# Altium PCB PCB1_Bak.PcbDoc (part 2 of 5) (continued)
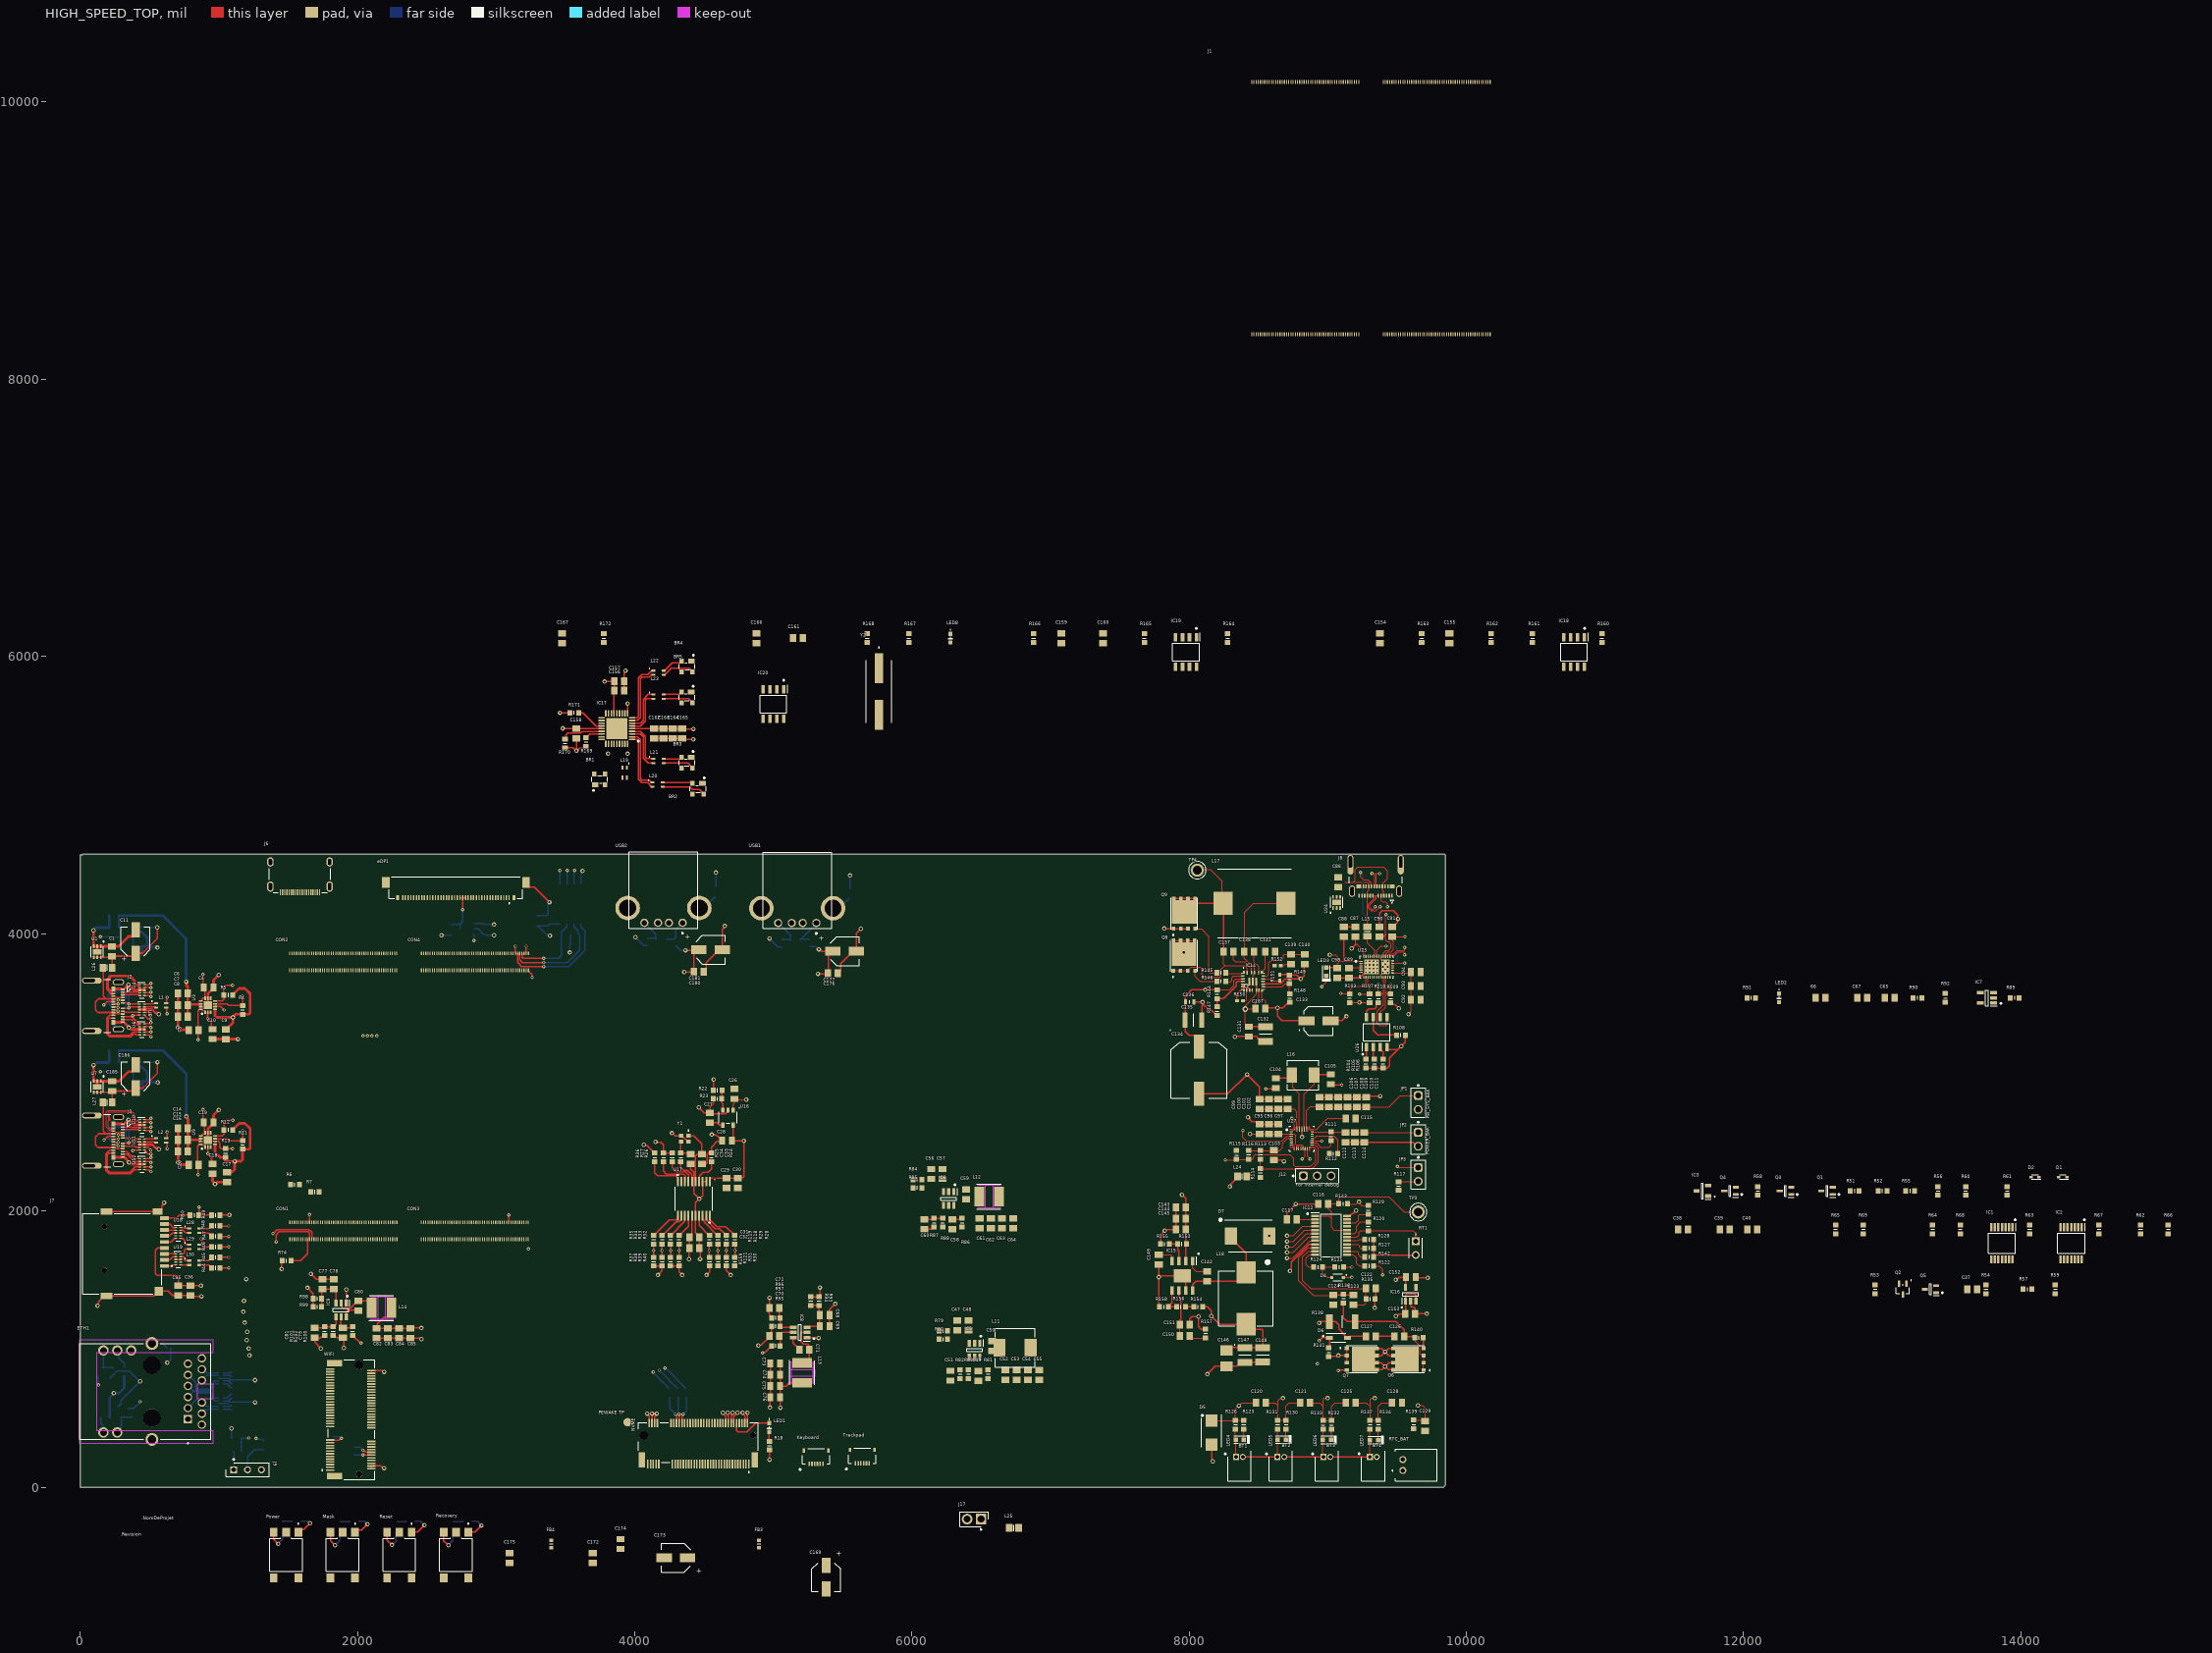
[diagram p0: HIGH_SPEED_TOP view]
## Footprints (in the part's own frame and the unit in brackets; to place one, negate y for a bottom-side part, rotate by r counter-clockwise, add the part's x,y. Pads: shape width x height; smd on the part's side, far side on the other; paste and mask are expansions set on the pad) (continued)
  rect 1.525x0.65 smd: 1(-2.712,1.905) 2(-2.712,0.635) 3(-2.712,-0.635) 4(-2.712,-1.905) 5(2.712,-1.905) 6(2.712,-0.635) 7(2.712,0.635) 8(2.712,1.905)
  silkscreen extent -4.15,-2.45 1.6,2.67, body extent -3,-2.45 3,2.45, height 1.75
SOIC127P798X216-8N [mm]
  rect 1.75x0.65 smd: 1(-3.625,1.905) 2(-3.625,0.635) 3(-3.625,-0.635) 4(-3.625,-1.905) 5(3.625,-1.905) 6(3.625,-0.635) 7(3.625,0.635) 8(3.625,1.905)
  silkscreen extent -5.33,-2.62 2.4,2.62, body extent -3.99,-2.62 3.99,2.62, height 2.16
SON65P200X200X80-7N [mm]
  rect 0.66x0.32 smd mask+0.07: 1(-1.025,0.65)
  rect 0.66x0.32 smd mask+0.025: 2(-1.025,0) 3(-1.025,-0.65) 5(1.025,0) 6(1.025,0.65)
  rect 0.66x0.32 smd: 4(1.025,-0.65)
  rect 1x1.6 smd paste-2 mask+0.025: 7(0,0)
  silkscreen extent -2,-1.13 1,1.24, body extent -1,-1 1,1, height 0.8
SOP65P640X120-14N [mm]
  rect 1.475x0.45 smd: 1(-2.938,1.95) 2(-2.938,1.3) 3(-2.938,0.65) 4(-2.938,0) 5(-2.938,-0.65) 6(-2.938,-1.3) 7(-2.938,-1.95) 8(2.938,-1.95) 9(2.938,-1.3) 10(2.938,-0.65) 11(2.938,0) 12(2.938,0.65) 13(2.938,1.3) 14(2.938,1.95)
  silkscreen extent -4.44,-2.5 1.85,2.54, body extent -3.2,-2.5 3.2,2.5, height 1.13
SOP65P640X120-24N [mm]
  rect 1.475x0.45 smd: 1(-2.938,3.575) 2(-2.938,2.925) 3(-2.938,2.275) 4(-2.938,1.625) 5(-2.938,0.975) 6(-2.938,0.325) 7(-2.938,-0.325) 8(-2.938,-0.975) 9(-2.938,-1.625) 10(-2.938,-2.275) 11(-2.938,-2.925) 12(-2.938,-3.575) 13(2.938,-3.575) 14(2.938,-2.925) 15(2.938,-2.275) 16(2.938,-1.625) 17(2.938,-0.975) 18(2.938,-0.325) 19(2.938,0.325) 20(2.938,0.975) 21(2.938,1.625) 22(2.938,2.275) 23(2.938,2.925) 24(2.938,3.575)
  silkscreen extent -4.44,-3.9 1.85,4.15, body extent -3.2,-3.9 3.2,3.9, height 1.13
SOT65P228X120-3N [mm]
  rect 1.1x0.5 smd: 1(-1.05,0.65) 2(-1.05,-0.65) 3(1.05,0)
  silkscreen extent -2.29,-1 0.15,1.15, body extent -1.2,-1.05 1.2,1.05, height 1.05
SOT94P279X130-5N [mm]
  rect 1.25x0.65 smd: 1(-1.25,0.94) 2(-1.25,0) 3(-1.25,-0.94) 4(1.25,-0.94) 5(1.25,0.94)
  silkscreen extent -2.67,-1.45 0.27,1.51, body extent -1.4,-1.45 1.4,1.45, height 1.3
SOT95P280X110-6N [mm]
  rect 1.25x0.6 smd: 1(-1.25,0.95) 2(-1.25,0) 3(-1.25,-0.95) 4(1.25,-0.95) 5(1.25,0) 6(1.25,0.95)
  silkscreen extent -2.67,-1.45 0.27,1.6, body extent -1.4,-1.45 1.4,1.45, height 0.97
SOT95P280X145-5N [mm]
  rect 1.2x0.6 smd: 1(-1.25,0.95) 2(-1.25,0) 3(-1.25,-0.95) 4(1.25,-0.95) 5(1.25,0.95)
  silkscreen extent -2.49,-1.45 0.3,1.71, body extent -1.4,-1.45 1.4,1.45, height 1.2
SOT95P285X140-5N [mm]
  rect 1.2x0.6 smd: 1(-1.3,0.95) 2(-1.3,0) 3(-1.3,-0.95) 4(1.3,-0.95) 5(1.3,0.95)
  silkscreen extent -2.56,-1.48 0.35,1.69, body extent -1.43,-1.48 1.43,1.48, height 1.4
SOT96P240X110-3N [mm]
  rect 1.1x0.65 smd: 1(-1.05,0.96) 2(-1.05,-0.96) 3(1.05,0)
  silkscreen extent -2.34,-1.45 0.15,1.54, body extent -1.2,-1.45 1.2,1.45, height 1.03
SOT-23-5_RIT [mil]
  rect 37.5x22 smd paste+0 mask+0: 1(-54.25,36.99) 2(-54.25,0) 3(-54.25,-36.99) 4(54.25,-36.99) 5(54.25,36.99)
  silkscreen extent -41,-66 41,66, body extent -59,-61 59,61, height 51
SOT-323-3_2P2X1P35_ONS [mil]
  rect 18x45 smd paste+0 mask+0: 1(-27.5,-39) 2(27.5,-39) 3(0,39)
  silkscreen extent -63,-68 48,32, body extent -44,-48 44,48, height 40
SW_TS06-667-25-BK-100-G-SMT-TR [mm]
  rect 1.6x1.4 smd: 1(-4.2,2.25) 2(-4.2,-2.25) 3(4.2,2.25) 4(4.2,-2.25) 5(-4.2,0)
  silkscreen extent -5.85,-3 3,3, body extent -4.2,-3.35 4.2,3.35, height 2.58
T520B [mm]
  rect 1.87x2.23 smd: 1(-1.46,0) 2(1.46,0)
  silkscreen extent -2.56,1.42 -2.46,1.52, body extent -1.85,-1.5 1.85,1.5, height 2.1
TECONN-4POS-USB [mm]
  round 1.5 hole 1: 1(0,0) 2(2.5,0) 3(4.5,0) 4(7,0)
  round 4.5 hole 3.1: 5(-3.07,-2.71) 6(10.07,-2.71)
  silkscreen extent -2.8,-12.99 9.8,2.03, body extent -4.62,-12.99 11.62,1.01, height 7.72
TPS552882RPMR [mm]
  rect 0.4x0.575 smd: 1(-1.625,1.662) 19(1.625,1.662)
  rect 0.6x0.25 smd: 2(-1.9,1) 6(-1.9,-1) 14(1.9,-1) 18(1.9,1)
  rect 0.725x0.25 smd: 3(-1.837,0.5) 4(-1.837,0) 5(-1.837,-0.5) 15(1.838,-0.5) 16(1.838,0) 17(1.838,0.5)
  rect 0.35x0.575 smd: 7(-1.65,-1.662) 13(1.65,-1.662)
  rect 0.25x0.625 smd: 8(-1.125,-1.637) 9(-0.625,-1.637) 10(-0.125,-1.637) 11(0.625,-1.637) 12(1.125,-1.637)
  rect 0.25x0.675 smd: 20(1.05,1.613) 23(-1.05,1.613)
  rect 0.25x0.6 smd: 21(0.25,1.65) 22(-0.25,1.65)
  rect 0.375x1.425 smd: 24(-0.625,0) 25(0,0) 26(0.625,0)
  rect 0.375x0.225 smd: 27(-2.012,1.488) 28(-2.012,-1.488) 29(2.012,-1.488) 30(2.012,1.488)
  silkscreen extent -1.78,2.43 -1.67,2.53, body extent -2,-1.75 2,1.75, height 1
USB_C [mm] "MOLEX_2012670005"
  rect 0.298x0.7 smd mask+0.064: A1(-3,7.94) A2(-2.5,7.94) A3(-2,7.94) A4(-1.5,7.94) A5(-1,7.94) A6(-0.5,7.94) A7(0.5,7.94) A8(1,7.94) A9(1.5,7.94) A10(2,7.94) A11(2.5,7.94) A12(3,7.94) B2(2.25,6.24) B3(1.75,6.24) B4(1.25,6.24) B5(0.75,6.24) B6(0.25,6.24) B7(-0.25,6.24) B8(-0.75,6.24) B9(-1.25,6.24) B10(-1.75,6.24) B11(-2.25,6.24)
  rect 0.898x0.7 smd mask+0: B1(3.05,6.24) B12(-3.05,6.24)
  oval 1.1x2.1 hole 0.6 slot 1.6 at 90 deg mask+0.064: SH1(-4.32,7.13) SH2(4.32,7.13)
  oval 1.1x3.6 hole 0.6 slot 2.1 at 90 deg copper offset 0,0.5 mask+0.064: SH3(-4.62,1.77) SH4(4.62,1.77)
  silkscreen extent -4.84,4.45 4.85,9.45, body extent -4.69,-0.21 4.7,8.09, height 3.72
WE-LHMI_104048 [mm]
  rect 4.1x3.5 smd: 1(-4.75,0) 2(4.75,0)
  silkscreen extent -7.03,-5 5,5, body extent -5.5,-5 5.5,5, height 3.9
WL-SMCD_0603 [mm] "SMD Mono-color Chip LED, body 1.6x0.8mm"
  rect 0.8x0.75 smd: 1(-0.8,0) 2(0.8,0)
  silkscreen extent -1.62,-0.4 0.22,0.4, body extent -0.8,-0.4 0.8,0.4, height 0.42
XTAL_ECS-250-8-37B2-RWY-TR [mm]
  rect 0.85x0.75 smd: 1(-0.675,-0.525) 2(0.675,-0.525) 3(0.675,0.525) 4(-0.675,0.525)
  silkscreen extent -0.77,-1.62 -0.58,-1.43

## Part data
66: library part C0805C223J3GACTU, "22nF, 25 V, 0805 [2012 Metric], 5%, C0G / NP0", Case Code (Imperial)=0805, Case Code (Metric)=2012, Dielectric=C0G, Dielectric Material=4241ConductorMaterial, Manufacturer=KEMET, Max Operating Temperature=125°C, Min Operating Temperature=-55°C, Package Quantity=4000, Supplier Part Number=399-C0805C223J3GACTUCT-ND, Temperature Coefficient=30ppm/°C, Tolerance=5%, Voltage=25V, Case/Package=0805, Category="Ceramic Capacitors", ComponentLink1Description=http://www.farnell.com/datasheets/2741014.pdf?src-supplier=Farnell, ComponentLink1URL=http://www.farnell.com/datasheets/2741014.pdf?src-supplier=Farnell, ComponentLink2Description=http://components.arrow.com/part/dataview/46124259S8614547N7429?src-supplier=Arrow+Electronics, ComponentLink2URL=http://components.arrow.com/part/dataview/46124259S8614547N7429?src-supplier=Arrow+Electronics, ComponentLink3Description=http://www.mouser.com/ds/2/212/KEM_C1003_C0G_SMD-1101588.pdf?src-supplier=Mouser, ComponentLink3URL=http://www.mouser.com/ds/2/212/KEM_C1003_C0G_SMD-1101588.pdf?src-supplier=Mouser, ComponentLink4Description=http://www.kemet.com/docfinder?Partnumber=C0805C223J3GACTU&src-supplier=Digikey, ComponentLink4URL=http://www.kemet.com/docfinder?Partnumber=C0805C223J3GACTU&src-supplier=Digikey, ComponentLink5Description=http://www.farnell.com/datasheets/2741014.pdf?src-supplier=Newark, ComponentLink5URL=http://www.farnell.com/datasheets/2741014.pdf?src-supplier=Newark, ComponentLink6Description=https://www.verical.com/server-webapp/html/getDatasheet?partID=512137&src-supplier=Verical, ComponentLink6URL=https://www.verical.com/server-webapp/html/getDatasheet?partID=512137&src-supplier=Verical, ComponentLink7Description=http://www.farnell.com/datasheets/2741014.pdf?src-supplier=Element14, ComponentLink7URL=http://www.farnell.com/datasheets/2741014.pdf?src-supplier=Element14, ComponentLink8Description=https://datasheet.octopart.com/C0805C223J3GACTU-KEMET-datasheet-176142324.pdf?src-supplier=Element14, ComponentLink8URL=https://datasheet.octopart.com/C0805C223J3GACTU-KEMET-datasheet-176142324.pdf?src-supplier=Element14, ComponentLink9Description=http://capacitoredge.kemet.com/capedge2/DataSheet?pn=C0805C223J3GACTU&src-supplier=Avnet, ComponentLink9URL=http://capacitoredge.kemet.com/capedge2/DataSheet?pn=C0805C223J3GACTU&src-supplier=Avnet, ComponentLink10Description=https://api.kemet.com/component-edge/download/datasheet/C0805C223J3GACTU.pdf?src-supplier=Digi-Key, ComponentLink10URL=https://api.kemet.com/component-edge/download/datasheet/C0805C223J3GACTU.pdf?src-supplier=Digi-Key, ComponentLink11Description=https://datasheet.octopart.com/C0805C223J3GACTU-Kemet-datasheet-14356739.pdf?src-supplier=Newark, ComponentLink11URL=https://datasheet.octopart.com/C0805C223J3GACTU-Kemet-datasheet-14356739.pdf?src-supplier=Newark, ComponentLink12Description=https://datasheet.octopart.com/C0805C223J3GACTU-KEMET-datasheet-37178240.pdf?src-supplier=Electro+Sonic, ComponentLink12URL=https://datasheet.octopart.com/C0805C223J3GACTU-KEMET-datasheet-37178240.pdf?src-supplier=Electro+Sonic, Construction=Flat, Datasheet Link=https://content.kemet.com/datasheets/KEM_C1003_C0G_SMD.pdf, Depth=1.25mm, Dissipation Factor=0.1%, Height=1.1mm, Lead Free=5697LeadFree, Length=2mm, Manufacturer Part Number=C0805C223J3GACTU, Manufacturer_Name=KEMET, Manufacturer_Part_Number=C0805C223J3GACTU, Material=4241ConductorMaterial, Mounting Technology="Surface Mount", Packaging="Tape and Reel", Radiation Hardening=No, Reach SVHC Compliant=No, RoHS=Yes, RoHS Compliant=Yes, Series="SMD Comm C0G", Supplier=Digikey, Termination=SMD/SMT, Thickness=0.039inch, Voltage Rating=25V, Voltage Rating (DC)=25V, Width=1.2mm
BR1 BR2 BR3 BR4 BR5: "BGX50A Series 50 V 140 mA Surface Mount Silicon Switching Diode - SOT-143", Case/Package=SOT-143-4, Current Rating=140mA, Forward Voltage=1.3V, Manufacturer=Infineon, Max Operating Temperature=150°C, Max Repetitive Reverse Voltage (Vrrm)=70V, Max Reverse Current=200nA, Min Operating Temperature=-65°C, Mouser Part Number=726-BGX50AE6327HTSA1, Package Quantity=3000NUMBER, Reverse Voltage=50V, Supplier Part Number=BGX50AE6327HTSA1CT-ND, Arrow Part Number=BGX50AE6327HTSA1, Arrow Price/Stock=https://www.arrow.com/en/products/bgx50ae6327htsa1/infineon-technologies-ag?utm_currency=USD&region=europe, Category="Rectifier Diodes", ComponentLink1Description=http://www.farnell.com/datasheets/1835970.pdf?src-supplier=Farnell, ComponentLink1URL=http://www.farnell.com/datasheets/1835970.pdf?src-supplier=Farnell, ComponentLink2Description=http://uk.rs-online.com/webdocs/132f/0900766b8132f01b.pdf?src-supplier=Rs, ComponentLink2URL=http://uk.rs-online.com/webdocs/132f/0900766b8132f01b.pdf?src-supplier=Rs, ComponentLink3Description=http://components.arrow.com/part/dataview/52117287S9850481N2051?src-supplier=Arrow+Electronics, ComponentLink3URL=http://components.arrow.com/part/dataview/52117287S9850481N2051?src-supplier=Arrow+Electronics, ComponentLink4Description=https://datasheet.octopart.com/BGX50AE6327HTSA1-Infineon-datasheet-180052998.pdf?src-supplier=Element14, ComponentLink4URL=https://datasheet.octopart.com/BGX50AE6327HTSA1-Infineon-datasheet-180052998.pdf?src-supplier=Element14, ComponentLink5Description=http://documents.rs-components.com/techlib://itc_doclist_GB.htm?stockno=0287342A&src-supplier=Rs, ComponentLink5URL=http://documents.rs-components.com/techlib://itc_doclist_GB.htm?stockno=0287342A&src-supplier=Rs, ComponentLink6Description=http://datasheet.octopart.com/BGX50AE6327HTSA1-Infineon-datasheet-5392290.pdf?src-supplier=Future+Electronics, ComponentLink6URL=http://datasheet.octopart.com/BGX50AE6327HTSA1-Infineon-datasheet-5392290.pdf?src-supplier=Future+Electronics, ComponentLink7Description=http://www.farnell.com/datasheets/1835970.pdf?src-supplier=Newark, ComponentLink7URL=http://www.farnell.com/datasheets/1835970.pdf?src-supplier=Newark, ComponentLink8Description=http://datasheet.octopart.com/BGX50AE6327HTSA1-Infineon-datasheet-5392290.pdf?src-supplier=Mouser, ComponentLink8URL=http://datasheet.octopart.com/BGX50AE6327HTSA1-Infineon-datasheet-5392290.pdf?src-supplier=Mouser, ComponentLink9Description=http://www.infineon.com/dgdl/bgx50aseries.pdf?folderId=db3a30431400ef6801141cc1c4cd04e8&fileId=db3a30431400ef6801141cc423c404e9&src-supplier=Avnet, ComponentLink9URL=http://www.infineon.com/dgdl/bgx50aseries.pdf?folderId=db3a30431400ef6801141cc1c4cd04e8&fileId=db3a30431400ef6801141cc423c404e9&src-supplier=Avnet, Datasheet Link=https://www.infineon.com/dgdl/Infineon-BGX50ASERIES-DS-v01_01-en.pdf?fileId=db3a30431400ef6801141cc423c404e9, Forward Current=140mA, Halogen Free="Not Halogen Free", Height=1.1mm, Lead Free="Lead Free", Length=2.9mm, Manufacturer Part Number=BGX50AE6327HTSA1, Manufacturer_Name=Infineon, Manufacturer_Part_Number=BGX50AE6327HTSA1, Mounting Technology="Surface Mount", Mouser Price/Stock=https://www.mouser.co.uk/ProductDetail/Infineon-Technologies/BGX50AE6327HTSA1?qs=K00xGehIljtICzjrsCDc8w%3D%3D, Packaging="Tape and Reel", Pins=4, Pricing="1=0.42, 10=0.266, 100=0.1782, 500=0.13332, 1000=0.1188 (USD)", Radiation Hardening=No, Reach SVHC Compliant=4186SVHC, Reverse Recovery Time=6ns, RoHS=Yes, RoHS Compliant=Yes, Series=-, Stock=90032, Supplier=Digikey, Voltage Rating (DC)=50V, Width=1.3mm
BT1 BT2 BT3 BT4: library part "Header 1.25MM", "Connector", Manufacturer_Name=Molex, Mouser Part Number=N/A, Arrow Part Number=0530480210, Arrow Price/Stock=https://www.arrow.com/en/products/0530480210/molex?utm_currency=USD&region=europe, Datasheet Link=https://www.molex.com/pdm_docs/sd/530480210_sd.pdf, Height=3.5mm, Manufacturer_Part_Number=0530480210, Mouser Price/Stock=https://www.mouser.co.uk/ProductDetail/Molex/0530480210?qs=PBcRNPEHKsoxSi7zGV6Ncw%3D%3D
C1 C156 C158 C159 C160 C162 C163 C164 C165 C166 C168 C171 C172 C175 C176 C179 C180 C183 C185: library part C0805C104K9RACTU, "0.1uF 6.3V X7R 10% Pad SMD 0805 125C T/R", Case Code (Imperial)=0805, Case Code (Metric)=2012, Dielectric=X7R, Dielectric Material=Ceramic, Manufacturer=KEMET, Max Operating Temperature=125°C, Min Operating Temperature=-55°C, Mouser Part Number=80-C0805C104K9R, Package Quantity=4000, Supplier Part Number=399-C0805C104K9RACTUCT-ND, Tolerance=10%, Voltage Rating=6.3V, Arrow Part Number=C0805C104K9RACTU, Arrow Price/Stock=https://www.arrow.com/en/products/c0805c104k9ractu/kemet-corporation, Case/Package=0805, Category="Ceramic Capacitors", ComponentLink1Description=http://www.farnell.com/datasheets/2746329.pdf?src-supplier=Farnell, ComponentLink1URL=http://www.farnell.com/datasheets/2746329.pdf?src-supplier=Farnell, ComponentLink2Description=http://www.mouser.com/ds/2/212/KEM_C1002_X7R_SMD-1102033.pdf?src-supplier=Mouser, ComponentLink2URL=http://www.mouser.com/ds/2/212/KEM_C1002_X7R_SMD-1102033.pdf?src-supplier=Mouser, ComponentLink3Description=http://datasheet.octopart.com/C0805C104K9RACTU-KEMET-datasheet-157246124.pdf?src-supplier=Avnet, ComponentLink3URL=http://datasheet.octopart.com/C0805C104K9RACTU-KEMET-datasheet-157246124.pdf?src-supplier=Avnet, ComponentLink4Description=http://datasheet.octopart.com/C0805C104K9RACTU-KEMET-datasheet-157246124.pdf?src-supplier=Onlinecomponents.com, ComponentLink4URL=http://datasheet.octopart.com/C0805C104K9RACTU-KEMET-datasheet-157246124.pdf?src-supplier=Onlinecomponents.com, ComponentLink5Description=http://capacitoredge.kemet.com/capedge2/DataSheet?pn=C0805C104K9RACTU&src-supplier=Avnet, ComponentLink5URL=http://capacitoredge.kemet.com/capedge2/DataSheet?pn=C0805C104K9RACTU&src-supplier=Avnet, ComponentLink6Description=http://www.farnell.com/datasheets/2746329.pdf?src-supplier=Newark, ComponentLink6URL=http://www.farnell.com/datasheets/2746329.pdf?src-supplier=Newark, ComponentLink7Description=http://datasheet.octopart.com/C0805C104K9RACTU-KEMET-datasheet-157246124.pdf?src-supplier=Digikey, ComponentLink7URL=http://datasheet.octopart.com/C0805C104K9RACTU-KEMET-datasheet-157246124.pdf?src-supplier=Digikey, ComponentLink8Description=https://api.kemet.com/component-edge/download/datasheet/C0805C104K9RACTU.pdf?src-supplier=Digikey, ComponentLink8URL=https://api.kemet.com/component-edge/download/datasheet/C0805C104K9RACTU.pdf?src-supplier=Digikey, ComponentLink9Description=https://datasheet.octopart.com/C0805C104K9RACTU.-KEMET-datasheet-179056791.pdf?src-supplier=Element14, ComponentLink9URL=https://datasheet.octopart.com/C0805C104K9RACTU.-KEMET-datasheet-179056791.pdf?src-supplier=Element14, ComponentLink10Description=https://datasheet.octopart.com/C0805C104K9RACTU-KEMET-datasheet-137357759.pdf?src-supplier=Farnell, ComponentLink10URL=https://datasheet.octopart.com/C0805C104K9RACTU-KEMET-datasheet-137357759.pdf?src-supplier=Farnell, ComponentLink11Description=http://www.farnell.com/datasheets/2746329.pdf?src-supplier=Element14, ComponentLink11URL=http://www.farnell.com/datasheets/2746329.pdf?src-supplier=Element14, ComponentLink12Description=https://datasheet.octopart.com/C0805C104K9RACTU-KEMET-datasheet-157246124.pdf?src-supplier=TME, ComponentLink12URL=https://datasheet.octopart.com/C0805C104K9RACTU-KEMET-datasheet-157246124.pdf?src-supplier=TME, ComponentLink13Description=http://datasheet.octopart.com/C0805C104K9RACTU-KEMET-datasheet-157246124.pdf?src-supplier=TTI, ComponentLink13URL=http://datasheet.octopart.com/C0805C104K9RACTU-KEMET-datasheet-157246124.pdf?src-supplier=TTI, ComponentLink14Description=http://datasheet.octopart.com/C0805C104K9RACTU-KEMET-datasheet-157246124.pdf?src-supplier=Electro+Sonic, ComponentLink14URL=http://datasheet.octopart.com/C0805C104K9RACTU-KEMET-datasheet-157246124.pdf?src-supplier=Electro+Sonic, Construction=Flat, Datasheet Link=https://content.kemet.com/datasheets/KEM_C1002_X7R_SMD.pdf, Depth=1.25mm, Height=1.1mm, Length=2mm, Manufacturer Part Number=C0805C104K9RACTU, Manufacturer_Name=KEMET, Manufacturer_Part_Number=C0805C104K9RACTU, Material=4241ConductorMaterial, Mounting Technology="Surface Mount", Mouser Price/Stock=https://www.mouser.co.uk/ProductDetail/KEMET/C0805C104K9RACTU?qs=jbCUrP3sAgRYLjBU7s5h8Q%3D%3D, Packaging="Tape and Reel", Pricing="1=0.21, 10=0.214, 100=0.1506, 1000=0.11154 (USD)", Radiation Hardening=No, RoHS=Yes, RoHS Compliant=Yes, Series="SMD Comm X7R", Stock=68008, Supplier=Digikey, Termination=SMD/SMT, Thickness=0.039inch, Voltage Rating (DC)=6.3V, Width=1.2mm
C2 C3 C6 C7 C12 C13 C14 C15 C35: library part C0805C106K9RACTU, "10uF/6.3V SMD Comm X7R 0805 (2012Metric) Ceramic Capacitor 0.079Lx0.049W 2.00mmx1.25mm X7R ±10% 10muF", Case Code (Imperial)=0805, Case Code (Metric)=2012, Dielectric=X7R, Dielectric Material=Ceramic, Manufacturer=KEMET, Max Operating Temperature=125°C, Min Operating Temperature=-55°C, Mouser Part Number=80-C0805C106K9R, Package Quantity=1, Supplier Part Number=399-C0805C106K9RACTUCT-ND, Tolerance=10%, Voltage Rating=6.3V, Arrow Part Number=C0805C106K9RACTU, Arrow Price/Stock=https://www.arrow.com/en/products/c0805c106k9ractu/kemet-corporation?region=nac, Case/Package=0805, Category="Ceramic Capacitors", ComponentLink1Description=http://www.farnell.com/datasheets/2745931.pdf?src-supplier=Farnell, ComponentLink1URL=http://www.farnell.com/datasheets/2745931.pdf?src-supplier=Farnell, ComponentLink2Description=http://www.mouser.com/ds/2/212/KEM_C1002_X7R_SMD-1102033.pdf?src-supplier=Mouser, ComponentLink2URL=http://www.mouser.com/ds/2/212/KEM_C1002_X7R_SMD-1102033.pdf?src-supplier=Mouser, ComponentLink3Description=http://datasheet.octopart.com/C0805C106K9RACTU-KEMET-datasheet-157246124.pdf?src-supplier=Avnet, ComponentLink3URL=http://datasheet.octopart.com/C0805C106K9RACTU-KEMET-datasheet-157246124.pdf?src-supplier=Avnet, ComponentLink4Description=http://datasheet.octopart.com/C0805C106K9RACTU-KEMET-datasheet-157246124.pdf?src-supplier=Verical, ComponentLink4URL=http://datasheet.octopart.com/C0805C106K9RACTU-KEMET-datasheet-157246124.pdf?src-supplier=Verical, ComponentLink5Description=http://datasheet.octopart.com/C0805C106K9RACTU-KEMET-datasheet-157246124.pdf?src-supplier=Onlinecomponents.com, ComponentLink5URL=http://datasheet.octopart.com/C0805C106K9RACTU-KEMET-datasheet-157246124.pdf?src-supplier=Onlinecomponents.com, ComponentLink6Description=http://components.arrow.com/part/dataview/53801129S170069N7429?src-supplier=Arrow+Electronics, ComponentLink6URL=http://components.arrow.com/part/dataview/53801129S170069N7429?src-supplier=Arrow+Electronics, ComponentLink7Description=http://www.farnell.com/datasheets/1828800.pdf?src-supplier=Newark, ComponentLink7URL=http://www.farnell.com/datasheets/1828800.pdf?src-supplier=Newark, ComponentLink8Description=http://datasheet.octopart.com/C0805C106K9RACTU-KEMET-datasheet-157246124.pdf?src-supplier=Digikey, ComponentLink8URL=http://datasheet.octopart.com/C0805C106K9RACTU-KEMET-datasheet-157246124.pdf?src-supplier=Digikey, ComponentLink9Description=https://api.kemet.com/component-edge/download/datasheet/C0805C106K9RACTU.pdf?src-supplier=Digikey, ComponentLink9URL=https://api.kemet.com/component-edge/download/datasheet/C0805C106K9RACTU.pdf?src-supplier=Digikey, ComponentLink10Description=http://www.farnell.com/datasheets/2745931.pdf?src-supplier=Element14, ComponentLink10URL=http://www.farnell.com/datasheets/2745931.pdf?src-supplier=Element14, ComponentLink11Description=https://datasheet.octopart.com/C0805C106K9RACTU-Kemet-datasheet-66076756.pdf?src-supplier=Element14, ComponentLink11URL=https://datasheet.octopart.com/C0805C106K9RACTU-Kemet-datasheet-66076756.pdf?src-supplier=Element14, ComponentLink12Description=http://datasheet.octopart.com/C0805C106K9RACTU-KEMET-datasheet-157246124.pdf?src-supplier=Rs, ComponentLink12URL=http://datasheet.octopart.com/C0805C106K9RACTU-KEMET-datasheet-157246124.pdf?src-supplier=Rs, ComponentLink13Description=http://www.farnell.com/datasheets/1791936.pdf?src-supplier=Newark, ComponentLink13URL=http://www.farnell.com/datasheets/1791936.pdf?src-supplier=Newark, ComponentLink14Description=http://datasheet.octopart.com/C0805C106K9RACTU-KEMET-datasheet-157246124.pdf?src-supplier=Electro+Sonic, ComponentLink14URL=http://datasheet.octopart.com/C0805C106K9RACTU-KEMET-datasheet-157246124.pdf?src-supplier=Electro+Sonic, ComponentLink15Description=https://datasheet.octopart.com/C0805C106K9RACTU-KEMET-datasheet-157246124.pdf?src-supplier=TME, ComponentLink15URL=https://datasheet.octopart.com/C0805C106K9RACTU-KEMET-datasheet-157246124.pdf?src-supplier=TME, ComponentLink16Description=http://datasheet.octopart.com/C0805C106K9RACTU-KEMET-datasheet-157246124.pdf?src-supplier=NAC+Semi, ComponentLink16URL=http://datasheet.octopart.com/C0805C106K9RACTU-KEMET-datasheet-157246124.pdf?src-supplier=NAC+Semi, Datasheet Link=https://content.kemet.com/datasheets/KEM_C1002_X7R_SMD.pdf, Depth=1.25mm, Dissipation Factor=7.5%, Height=1.1mm, Length=2mm, Manufacturer Part Number=C0805C106K9RACTU, Manufacturer_Name=KEMET, Manufacturer_Part_Number=C0805C106K9RACTU, Material=4241ConductorMaterial, Mounting Technology="Surface Mount", Mouser Price/Stock=https://www.mouser.co.uk/ProductDetail/KEMET/C0805C106K9RACTU?qs=iP0bYSAMAFo3iKcrfaqAag%3D%3D, Packaging="Tape and Reel", Pricing="1=0.34, 10=0.203, 100=0.1327, 1000=0.0974 (USD)", Reach SVHC Compliant=No, RoHS=Yes, RoHS Compliant=Yes, Series=C, Stock=12575, Supplier=Digikey, Termination=SMD/SMT, Thickness=0.055inch, Voltage Rating (DC)=6.3V, Width=0.049inch
C4 C5 C19 C20: library part C0805C221M5RACTU, "Cap Ceramic 220pF 50V X7R 20% Pad SMD 0805 125C T/R", Case Code (Imperial)=0805, Case Code (Metric)=2012, Dielectric=X7R, Dielectric Material=Ceramic, Manufacturer=KEMET, Max Operating Temperature=125°C, Mfr_Name=Kemet, Min Operating Temperature=-55°C, Package Quantity=1, Supplier Part Number=399-C0805C221M5RACTUCT-ND, Tolerance=20%, Voltage Rating=50V, Case/Package=0805, Category="Ceramic Capacitors", ComponentLink1Description=http://www.farnell.com/datasheets/2746355.pdf?src-supplier=Farnell, ComponentLink1URL=http://www.farnell.com/datasheets/2746355.pdf?src-supplier=Farnell, ComponentLink2Description=http://www.mouser.com/ds/2/212/KEM_C1002_X7R_SMD-1102033.pdf?src-supplier=Mouser, ComponentLink2URL=http://www.mouser.com/ds/2/212/KEM_C1002_X7R_SMD-1102033.pdf?src-supplier=Mouser, ComponentLink3Description=http://components.arrow.com/part/dataview/2091709S5746747N7429?src-supplier=Arrow+Electronics, ComponentLink3URL=http://components.arrow.com/part/dataview/2091709S5746747N7429?src-supplier=Arrow+Electronics, ComponentLink4Description=https://api.kemet.com/component-edge/download/datasheet/C0805C221M5RACTU.pdf?src-supplier=Digikey, ComponentLink4URL=https://api.kemet.com/component-edge/download/datasheet/C0805C221M5RACTU.pdf?src-supplier=Digikey, ComponentLink5Description=https://datasheet.octopart.com/C0805C221M5RACTU-KEMET-datasheet-149524118.pdf?src-supplier=Farnell, ComponentLink5URL=https://datasheet.octopart.com/C0805C221M5RACTU-KEMET-datasheet-149524118.pdf?src-supplier=Farnell, ComponentLink6Description=http://capacitoredge.kemet.com/capedge2/DataSheet?pn=C0805C221M5RACTU&src-supplier=Avnet, ComponentLink6URL=http://capacitoredge.kemet.com/capedge2/DataSheet?pn=C0805C221M5RACTU&src-supplier=Avnet, ComponentLink7Description=https://datasheet.octopart.com/C0805C221M5RACTU-Kemet-datasheet-62307647.pdf?src-supplier=Element14, ComponentLink7URL=https://datasheet.octopart.com/C0805C221M5RACTU-Kemet-datasheet-62307647.pdf?src-supplier=Element14, ComponentLink8Description=http://www.farnell.com/datasheets/2746355.pdf?src-supplier=Newark, ComponentLink8URL=http://www.farnell.com/datasheets/2746355.pdf?src-supplier=Newark, ComponentLink9Description=https://datasheet.octopart.com/C0805C221M5RACTU-KEMET-datasheet-137045082.pdf?src-supplier=TME, ComponentLink9URL=https://datasheet.octopart.com/C0805C221M5RACTU-KEMET-datasheet-137045082.pdf?src-supplier=TME, Contact Plating=Tin,Matte, Depth=1.25mm, Height=0.78mm, Lead Pitch=0.75mm, Length=2mm, Manufacturer Part Number=C0805C221M5RACTU, Mounting Technology="Surface Mount", Packaging="Tape and Reel", Pricing="1=0.1, 10=0.086, 100=0.0162 (USD)", RoHS=Yes, Series=C, Stock=68781, Supplier=Digikey, Termination=SMD/SMT, Thickness=0.035inch, Voltage Rating (DC)=50V, Width=0.049inch